# Allegro board 1156197-TDI_VU3P_QSFP28_CXP_V001_1023A-166-20241121_1644_PCB.brd (continued)
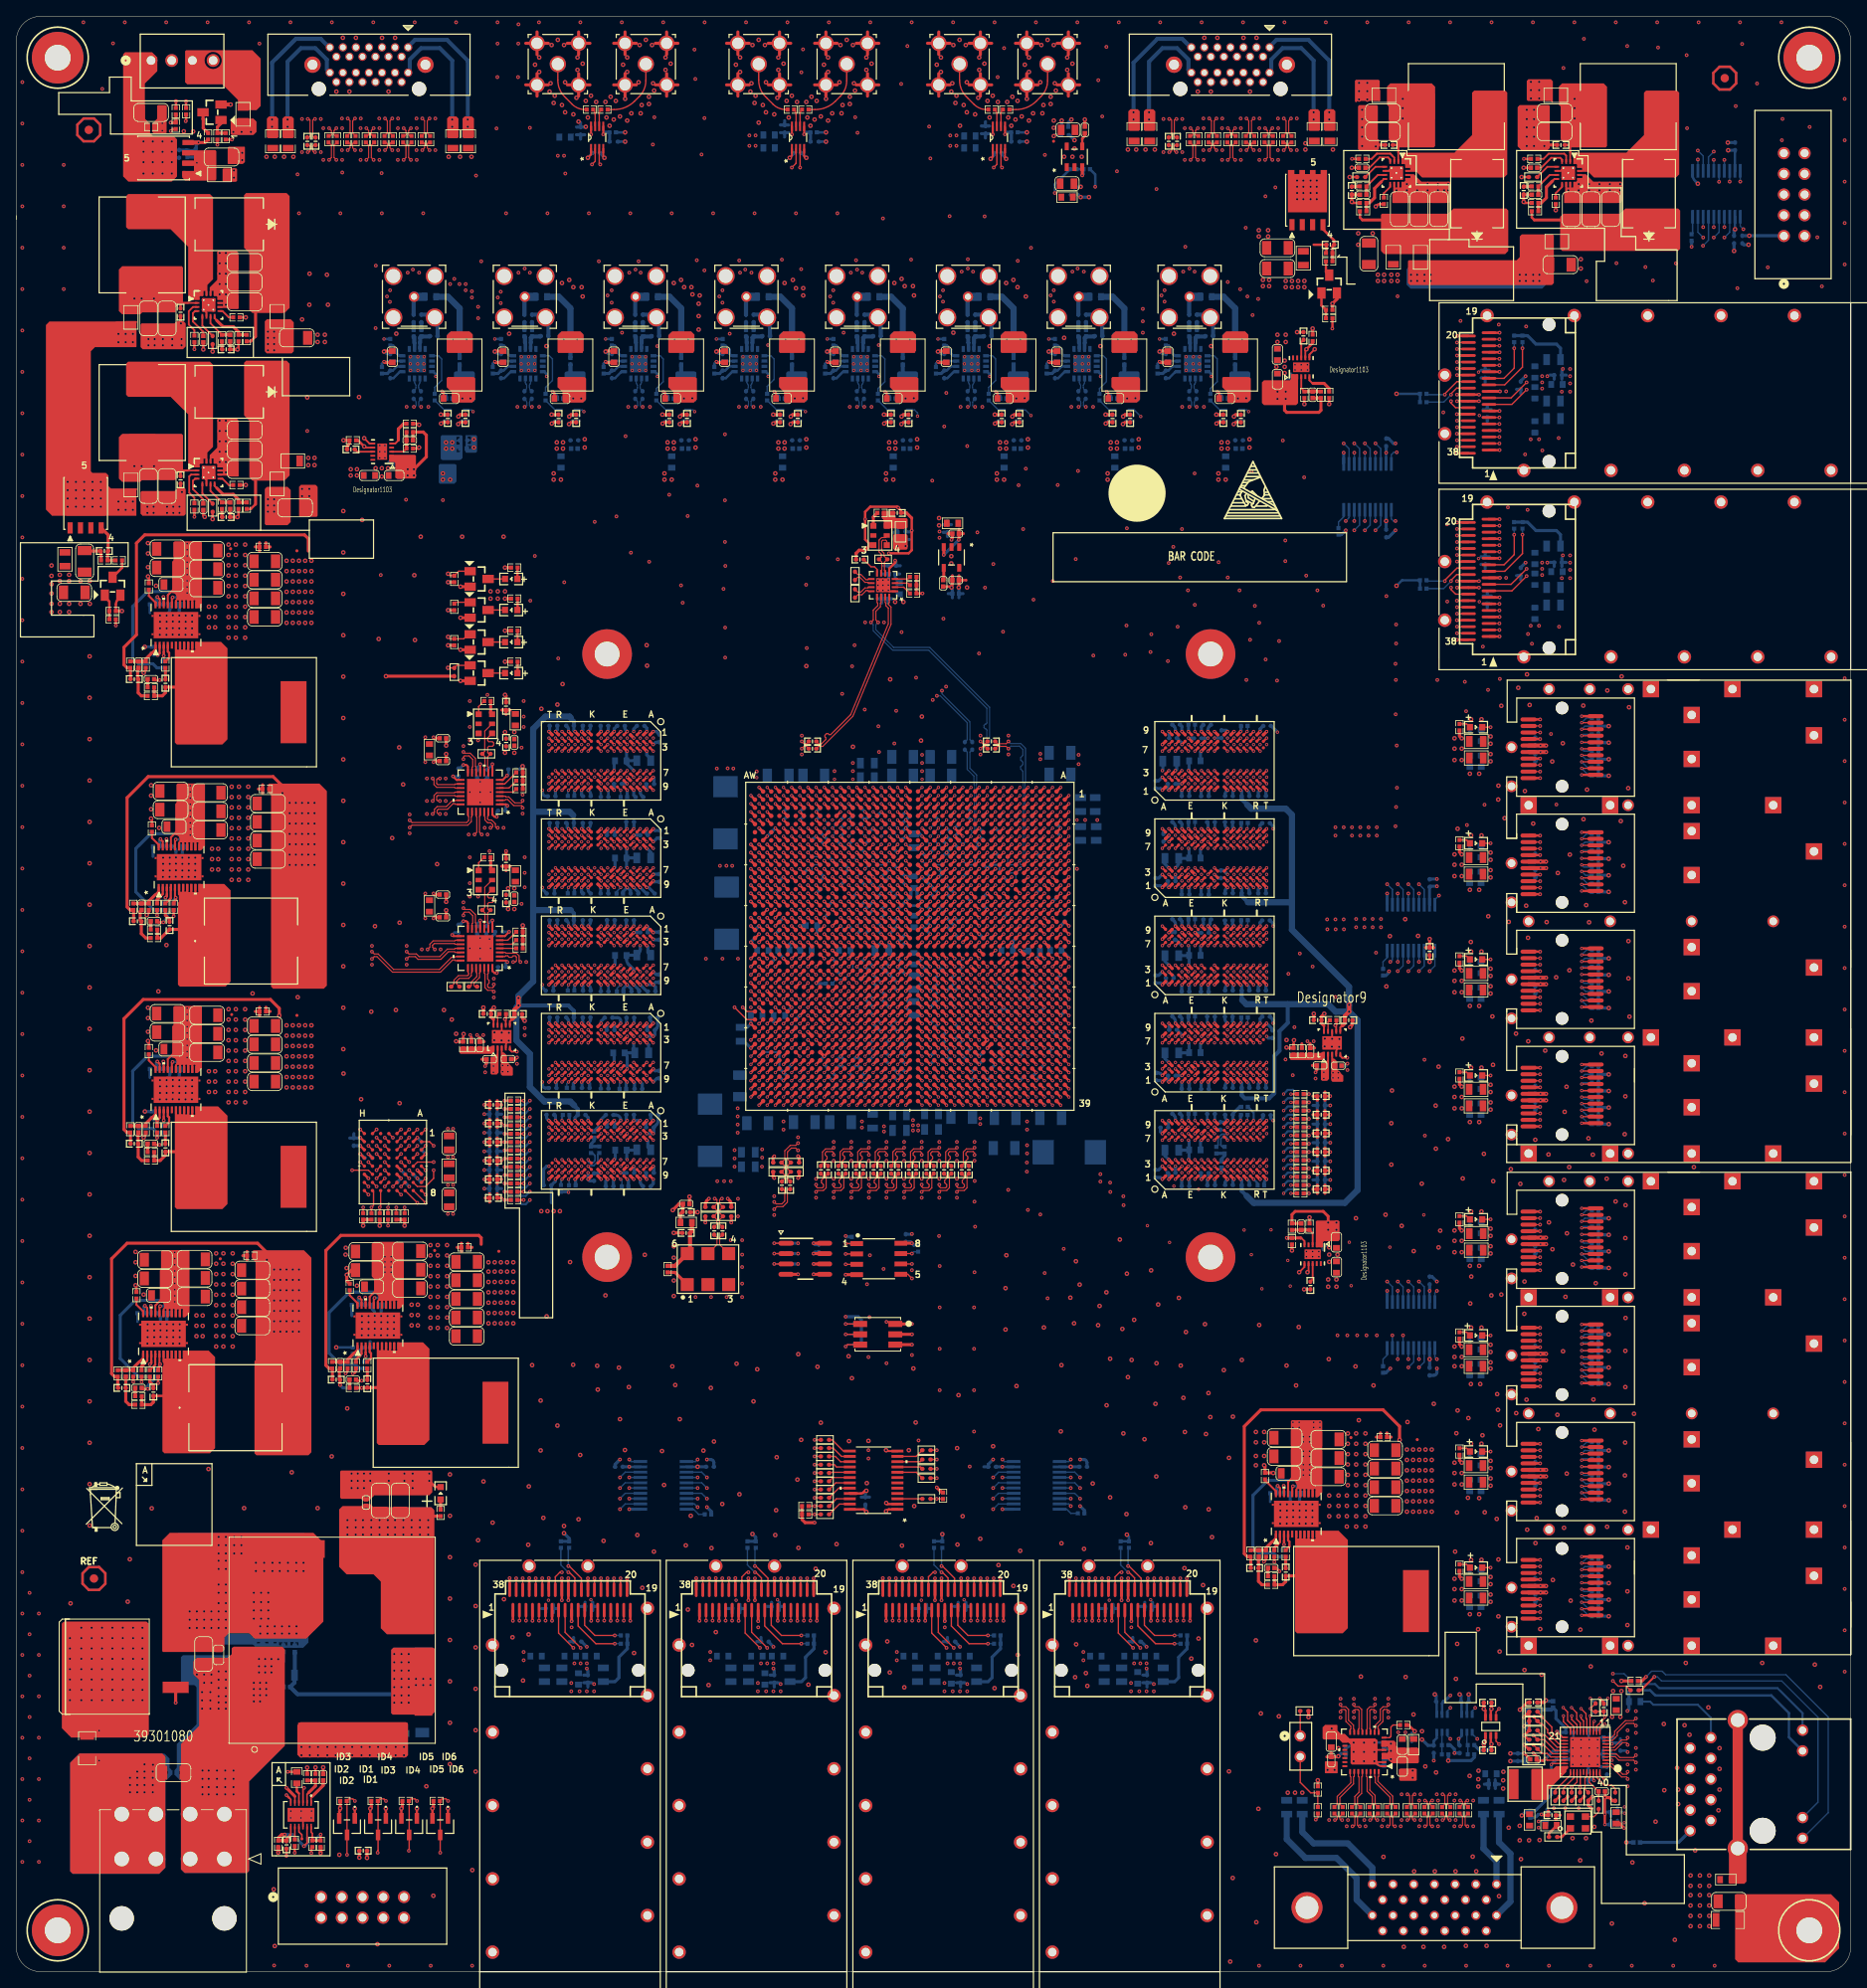
[diagram p0: board, top side]
## Copper pours and planes (outline as drawn; the poured copper is in the pictures) (continued)
CHA_SFP3_VCCRX on BOTTOM: 181.11,89.8 182.33,91.02 184,91.02 185.15,89.87 185.16,89.87 187.84,89.87 187.91,89.94 187.91,90.32 187.78,90.45 185.9,90.45 184.05,92.29 181.49,92.29 180.25,91.05 179.4,91.05 179.31,90.96 179.31,89.9 179.41,89.8
CHA_SFP3_VCCRX on ART05: 181.36,89.96 182.33,90.93 184.45,90.93 185.49,89.89 187.89,89.89 187.96,89.96 187.96,90.34 187.85,90.45 186.69,90.45 186.46,90.68 186.46,90.83 185.55,91.74 180.85,91.74 180.47,91.36 180.47,90.09 180.59,89.96
CHA_SFP3_VCCTX on TOP: 179.56,89.42 181.08,89.42 181.21,89.3 181.21,87.77 181.08,87.64 179.56,87.64 179.43,87.77 179.43,89.3
CHA_SFP3_VCCTX on BOTTOM: 181.11,89.37 181.62,88.86 184.3,88.86 184.93,89.49 187.82,89.49 187.93,89.38 187.93,89 187.78,88.85 186.54,88.85 186.53,88.85 186.26,88.85 186.08,88.67 185.59,88.67 184.43,87.52 180.98,87.52 180.11,88.38 179.43,88.38 179.3,88.51 179.3,89.29 179.37,89.37
CHA_SFP3_VCCTX on ART05: 180.59,89.33 181.1,89.33 181.23,89.2 182.6,89.2 182.95,88.85 183.88,88.85 184.23,89.2 185.04,89.2 185.35,89.51 187.91,89.51 187.96,89.45 187.96,89.07 187.83,88.94 186.82,88.94 185.67,87.8 180.59,87.8 180.47,87.93 180.47,89.2
CHA_SFP4_VCCRX on TOP: 179.56,109.24 181.08,109.24 181.21,109.11 181.21,107.59 181.08,107.46 179.56,107.46 179.43,107.59 179.43,109.11
CHA_SFP4_VCCRX on BOTTOM: 181.08,107.51 182.3,108.73 183.98,108.73 185.13,107.58 185.13,107.58 187.82,107.58 187.88,107.65 187.88,108.03 187.76,108.16 185.87,108.16 184.03,110 181.46,110 180.22,108.76 179.37,108.76 179.28,108.67 179.28,107.61 179.38,107.51
CHA_SFP4_VCCRX on ART05: 181.36,107.62 182.12,108.38 184.66,108.38 185.49,107.55 187.89,107.55 187.96,107.62 187.96,108 187.71,108.25 186.69,108.25 185.55,109.4 180.85,109.4 180.47,109.01 180.47,107.74 180.59,107.62
CHA_SFP4_VCCTX on TOP: 179.56,107.08 181.08,107.08 181.21,106.95 181.21,105.43 181.08,105.3 179.56,105.3 179.43,105.43 179.43,106.95
CHA_SFP4_VCCTX on BOTTOM: 181.08,107.08 181.59,106.57 184.28,106.57 184.91,107.2 187.79,107.2 187.91,107.09 187.91,106.71 187.76,106.56 186.51,106.56 186.51,106.56 186.23,106.56 186.06,106.38 185.56,106.38 184.4,105.23 180.95,105.23 180.09,106.09 179.4,106.09 179.27,106.22 179.27,107 179.35,107.08
CHA_SFP4_VCCTX on ART05: 180.59,106.98 181.1,106.98 181.23,106.86 185.04,106.86 185.42,107.24 187.83,107.24 187.96,107.11 187.96,106.73 187.83,106.6 186.82,106.6 185.67,105.46 180.59,105.46 180.47,105.59 180.47,106.86
CHA_SFP5_VCCRX on TOP: 179.56,123.49 181.08,123.49 181.21,123.36 181.21,121.84 181.08,121.71 179.56,121.71 179.43,121.84 179.43,123.36
CHA_SFP5_VCCRX on BOTTOM: 181.08,121.74 182.3,122.95 183.98,122.95 185.13,121.81 185.13,121.81 187.82,121.81 187.88,121.88 187.88,122.26 187.76,122.38 185.87,122.38 184.03,124.22 181.46,124.22 180.22,122.98 179.37,122.98 179.28,122.89 179.28,121.83 179.38,121.74
CHA_SFP5_VCCRX on ART05: 181.36,121.87 182.12,122.63 184.66,122.63 185.49,121.8 187.89,121.8 187.96,121.87 187.96,122.25 187.71,122.5 186.69,122.5 185.55,123.64 180.85,123.64 180.47,123.26 180.47,121.99 180.59,121.87
CHA_SFP5_VCCTX on TOP: 179.56,121.33 181.08,121.33 181.21,121.2 181.21,119.68 181.08,119.55 179.56,119.55 179.43,119.68 179.43,121.2
CHA_SFP5_VCCTX on BOTTOM: 181.08,121.3 181.59,120.8 184.28,120.8 184.91,121.42 187.79,121.42 187.91,121.31 187.91,120.94 187.76,120.78 186.51,120.78 186.51,120.78 186.23,120.78 186.06,120.61 185.56,120.61 184.4,119.45 180.95,119.45 180.09,120.32 179.4,120.32 179.27,120.44 179.27,121.23 179.35,121.3
CHA_SFP5_VCCTX on ART05: 180.59,121.23 181.1,121.23 181.23,121.1 185.04,121.1 185.42,121.49 187.83,121.49 187.96,121.36 187.96,120.98 187.83,120.85 186.82,120.85 185.67,119.71 180.59,119.71 180.47,119.83 180.47,121.1
CHA_SFP6_VCCRX on TOP: 179.56,137.74 181.08,137.74 181.21,137.61 181.21,136.09 181.08,135.96 179.56,135.96 179.43,136.09 179.43,137.61
CHA_SFP6_VCCRX on BOTTOM: 181.08,135.96 182.3,137.18 183.98,137.18 185.13,136.03 185.13,136.03 187.82,136.03 187.88,136.1 187.88,136.48 187.76,136.61 185.87,136.61 184.03,138.45 181.46,138.45 180.22,137.21 179.37,137.21 179.28,137.12 179.28,136.06 179.38,135.96
CHA_SFP6_VCCRX on ART05: 181.36,136.12 182.12,136.88 184.66,136.88 185.49,136.05 187.89,136.05 187.96,136.12 187.96,136.5 187.71,136.75 186.69,136.75 185.55,137.9 180.85,137.9 180.47,137.52 180.47,136.25 180.59,136.12
CHA_SFP6_VCCTX on TOP: 179.56,135.58 181.08,135.58 181.21,135.45 181.21,133.93 181.08,133.8 179.56,133.8 179.43,133.93 179.43,135.45
CHA_SFP6_VCCTX on BOTTOM: 181.08,135.53 181.59,135.02 184.28,135.02 184.91,135.65 187.79,135.65 187.91,135.53 187.91,135.16 187.76,135.01 186.51,135.01 186.51,135 186.23,135 186.06,134.83 185.56,134.83 184.4,133.67 180.95,133.67 180.09,134.54 179.4,134.54 179.27,134.67 179.27,135.45 179.35,135.53
CHA_SFP6_VCCTX on ART05: 180.59,135.48 181.1,135.48 181.23,135.36 185.04,135.36 185.42,135.74 187.83,135.74 187.96,135.61 187.96,135.23 187.83,135.1 186.82,135.1 185.67,133.96 180.59,133.96 180.47,134.09 180.47,135.36
CHA_SFP7_VCCRX on TOP: 179.56,151.99 181.08,151.99 181.21,151.86 181.21,150.34 181.08,150.21 179.56,150.21 179.43,150.34 179.43,151.86
CHA_SFP7_VCCRX on BOTTOM: 181.11,150.21 182.33,151.43 184,151.43 185.15,150.28 185.16,150.28 187.84,150.28 187.91,150.35 187.91,150.73 187.78,150.86 185.9,150.86 184.05,152.7 181.49,152.7 180.25,151.46 179.4,151.46 179.31,151.37 179.31,150.31 179.41,150.21
CHA_SFP7_VCCRX on ART05: 181.36,150.37 182.12,151.13 184.66,151.13 185.49,150.3 187.89,150.3 187.96,150.37 187.96,150.75 187.71,151 186.69,151 185.55,152.15 180.85,152.15 180.47,151.76 180.47,150.5 180.59,150.37
CHA_SFP7_VCCTX on TOP: 179.56,149.83 181.08,149.83 181.21,149.7 181.21,148.18 181.08,148.05 179.56,148.05 179.43,148.18 179.43,149.7
CHA_SFP7_VCCTX on BOTTOM: 181.11,149.78 181.62,149.27 184.3,149.27 184.93,149.9 187.82,149.9 187.93,149.78 187.93,149.41 187.78,149.26 186.54,149.26 186.53,149.25 186.26,149.25 186.08,149.08 185.59,149.08 184.43,147.92 180.98,147.92 180.11,148.79 179.43,148.79 179.3,148.92 179.3,149.7 179.37,149.78
CHA_SFP7_VCCTX on ART05: 180.59,149.73 181.1,149.73 181.23,149.61 185.04,149.61 185.42,149.99 187.83,149.99 187.96,149.86 187.96,149.48 187.83,149.35 186.82,149.35 185.67,148.21 180.59,148.21 180.47,148.34 180.47,149.61
CHA_VCCAUX on BOTTOM: 108.84,102.49 108.71,102.62 108.71,105.79 108.41,106.1 108.41,108.53 109.35,109.47 109.35,113.79 108.88,114.26 108.88,114.47 109.35,114.94 109.35,115.57 109.22,115.7 108.58,115.7 108.46,115.82 108.46,116.71 107.57,117.6 107.57,118.62 107.82,118.87 108.84,118.87 109.86,117.86 111.51,117.86 111.76,117.6 111.76,116.97 112.27,116.46 112.27,116.2 111.76,115.7 111.76,115.19 111.89,115.06 112.39,115.06 112.65,114.81 112.65,113.92 112.39,113.67 112.14,113.67 111.89,113.41 111.89,105.92 112.01,105.79 112.01,102.74 111.76,102.49
CHA_VCCAUX on ART07: 110.79,105.36 111.1,105.05 111.1,103.17 110.9,102.97 109.91,102.97 109.35,103.53 109.35,105.03 108.46,105.92 108.46,113.54 108.33,113.67 102.87,113.67 102.49,114.05 102.49,116.84 102.62,116.97 103.38,116.97 103.5,117.09 103.5,119.63 103.89,120.02 115.06,120.02 115.7,119.38 115.7,113.79 115.32,113.41 111,113.41 110.79,113.21
CHA_VCCAUX on ART16: 116.71,114.81 116.71,112.9 116.46,112.65 111.12,112.65 110.87,112.39 110.87,103.12 110.74,103 109.35,103 109.09,103.25 109.09,104.78 108.46,105.41 108.46,112.52 108.33,112.65 102.74,112.65 102.49,112.9 102.49,116.71 102.74,116.97 103.25,116.97 103.5,117.22 103.5,117.73 103.76,117.98 104.27,117.98 104.52,118.24 104.52,119.63 104.9,120.02 115.57,120.02 115.7,119.89 115.7,115.19 115.95,114.94 116.59,114.94
CHA_VCCINT on TOP: 55.37,89.56 61.57,89.56 62.48,88.65 62.48,64.77 62.1,64.39 56.13,64.39 55.63,64.9 55.63,88.14 55.12,88.65 55.12,89.31
CHA_VCCINT on BOTTOM: 82.8,102.74 82.55,103 82.55,107.82 82.68,107.95 89.53,107.95 89.66,107.82 89.66,106.93 90.42,106.17 90.42,103.12 90.04,102.74
CHA_VCCINT on BOTTOM: 122.17,102.62 127,102.62 127.25,102.36 127.25,99.06 127,98.81 122.17,98.81 121.92,99.06 121.92,102.36
CHA_VCCINT on BOTTOM: 112.78,145.92 112.65,145.8 109.47,145.8 109.35,145.92 109.35,149.99 109.47,150.11 112.52,150.11 112.78,149.86
CHA_VCCINT on BOTTOM: 84.58,128.4 89.28,128.4 89.53,128.14 89.53,124.33 89.15,123.95 84.58,123.95 84.33,124.21 84.33,128.14
CHA_VCCINT on BOTTOM: 89.41,148.08 89.66,147.83 89.66,144.53 89.28,144.15 84.71,144.15 84.45,144.4 84.45,147.83 84.71,148.08
CHA_VCCINT on POWER09: 136.27,68.83 139.95,72.52 139.95,158.12 138.68,159.38 40.39,159.38 38.99,157.99 38.99,71.5 41.66,68.83
DDR4_1V2 on TOP (solid shape): 59.16,110.34 58.93,110.11 58.29,110.11 58.17,110.24 58.17,112.14 58.29,112.27 58.55,112.27 58.92,112.64 58.92,113.66 59.16,113.66
DDR4_1V2 on TOP (solid shape): 161.01,109.58 160.78,109.35 160.15,109.35 160.02,109.47 160.02,111.38 160.15,111.51 160.4,111.51 160.77,111.88 160.77,112.9 161.01,112.9
DDR4_1V2 on TOP: 55.09,113.89 55.14,113.94 55.14,115.47 55.09,115.52 53.67,115.52 53.59,115.44 53.59,114.02 53.72,113.89
DDR4_1V2 on TOP: 30.61,118.52 36.8,118.52 37.72,117.6 37.72,93.73 37.34,93.34 31.37,93.34 30.86,93.85 30.86,117.09 30.35,117.6 30.35,118.26
DDR4_1V2 on TOP: 156.95,113.13 157,113.18 157,114.71 156.95,114.76 155.52,114.76 155.45,114.68 155.45,113.26 155.57,113.13
DDR4_1V2 on BOTTOM: 159.99,111.58 160.05,111.63 160.78,111.63 160.86,111.56 160.86,109.45 160.78,109.37 160.05,109.37 159.99,109.42
DDR4_1V2 on BOTTOM: 129.79,142.88 132.97,142.88 133.22,142.62 133.22,140.08 133.1,139.95 129.79,139.95 129.54,140.21 129.54,142.62
DDR4_1V2 on BOTTOM: 104.01,149.22 102.49,149.22 102.23,148.97 102.23,146.18 102.49,145.92 104.01,145.92 104.14,146.05 104.14,149.1
DDR4_1V2 on BOTTOM: 58.32,112.39 58.93,112.39 59,112.32 59,110.21 58.93,110.13 58.32,110.13 58.22,110.24 58.22,112.29
DDR4_1V2 on POWER10: 30.86,97.79 54.86,97.79 57.53,95.12 76.45,95.12 79.5,98.17 79.5,114.83 89.51,124.84 96.01,124.84 96.39,124.46 96.39,124.33 96.6,124.13 97.84,124.13 98.68,124.97 98.68,125.48 98.81,125.6 99.87,125.6 100.13,125.86 100.71,125.86 100.84,125.98 100.84,126.49 101.09,126.75 103.23,126.75 103.73,127.25 103.73,137.31 103.38,137.67 101.85,137.67 101.6,137.92 101.6,140.46 101.93,140.79 116.13,140.79 116.33,140.59 116.33,126.11 116.59,125.86 120.4,125.86 120.78,125.48 120.78,124.21 121.08,123.9 128.7,123.9 131.32,121.28 131.32,95.38 132.72,93.98 164.08,93.98 166.5,96.39 166.5,170.51 154.69,182.32 57.28,182.32 53.64,178.69 29.34,178.69 27.3,176.66 27.3,101.35
INPUT_GND on TOP (solid shape): 32.94,39.57 32.94,27.74 28.55,23.34 28.55,12.37 28.3,12.12 20.65,12.12 20.19,12.57 20.19,27.94 22.42,30.16 22.42,35.81 21.72,36.51 21.72,38.1 22.16,38.54 25.97,38.54 26.42,38.99 26.42,39.65 26.67,39.9 32.61,39.9
INPUT_GND on BOTTOM (solid shape): 32.94,38.02 32.77,37.85 32.77,35.43 32.94,35.26 32.94,34.67 32.64,34.37 32.64,27.46 28.55,23.37 28.55,12.37 28.3,12.12 20.65,12.12 20.19,12.57 20.19,23.37 19.43,24.13 19.43,24.23 20.14,24.23 20.14,24.61 19.76,24.61 19.76,24.23 19.43,24.23 19.43,24.77 19.68,25.02 19.68,27.94 22.1,30.35 22.1,34.92 21.84,35.18 20.32,35.18 20.19,35.31 20.19,38.61 20.4,38.81 31.93,38.81 31.93,38.84 32.77,38.84 32.77,39.22 32.38,39.22 32.38,38.84 31.93,38.84 31.93,39.19 31.55,39.19 31.55,38.81 20.4,38.81 20.42,38.84 30.91,38.84 30.91,39.22 30.53,39.22 30.53,38.84 29.9,38.84 29.9,39.22 29.51,39.22 29.51,38.84 20.42,38.84 20.45,38.86 28.83,38.86 29.41,39.45 32.94,39.45
INPUT_GND on BOTTOM: 36.55,19.99 36.55,18.49 36.45,18.39 33.45,18.39 33.3,18.54 33.3,19.99 33.5,20.19 36.35,20.19
INPUT_GND on ART05: 32.26,38.73 32.64,38.35 32.64,31.88 31.75,30.99 31.75,26.29 32.64,25.4 37.97,25.4 38.1,25.27 38.1,14.35 37.59,13.84 29.08,13.84 27.94,12.7 20.7,12.7 20.19,13.21 20.19,31.75 20.95,32.51 20.95,38.35 21.34,38.73
INPUT_GND on GND06: 20.95,32.38 20.95,37.97 21.72,38.73 32.13,38.73 32.51,38.35 32.51,31.75 31.75,30.99 31.75,23.88 28.45,20.57 28.45,13.21 27.94,12.7 20.7,12.7 20.19,13.21 20.19,31.62
INPUT_GND on ART07, GND08, POWER09, POWER10, GND11: 32.13,38.73 32.51,38.35 32.51,31.75 31.75,30.99 31.75,23.88 29.34,21.46 20.45,21.46 20.19,21.72 20.19,31.62 20.95,32.38 20.95,37.97 21.72,38.73
N23165016 on TOP (solid shape): 58.66,112.89 58.42,112.65 54.48,112.65 54.36,112.78 54.36,113.41 54.48,113.54 58.17,113.54 58.29,113.66 58.66,113.66
N23240813 on BOTTOM (solid shape): 50.44,206.01 50.44,205.15 50.37,205.07 48.51,205.07 48.32,205.26 48.32,205.92 48.49,206.09 50.37,206.09
N23421217 on TOP (solid shape): 160.51,112.12 160.27,111.89 156.34,111.89 156.21,112.01 156.21,112.65 156.34,112.78 160.02,112.78 160.14,112.9 160.51,112.9
N24127214 on TOP (solid shape): 44.49,77.22 44.49,76.33 44.54,76.28 44.66,76.28 44.71,76.33 44.71,77.23 44.73,77.25 44.99,77.25 44.99,76.35 45.04,76.3 45.16,76.3 45.21,76.35 45.21,77.25 45.47,77.25 45.49,77.22 45.49,76.31 45.55,76.26 45.66,76.26 45.71,76.31 45.71,77.25 45.97,77.25 45.99,77.22 45.99,76.28 46.04,76.23 46.16,76.23 46.21,76.28 46.21,77.22 46.24,77.25 46.47,77.25 46.49,77.23 46.49,76.28 46.54,76.23 46.66,76.23 46.71,76.28 46.71,77.25 49.88,77.25 50.67,76.45 50.67,65.28 50.04,64.64 44.45,64.64 44.21,64.89 44.21,77.25 44.46,77.25
N24533060 on TOP (solid shape): 56,200.93 56,198.92 55.8,198.72 52.9,198.72 52.79,198.83 52.79,200.84 53.28,201.34 55.59,201.34
N24533060 on BOTTOM (solid shape): 55.9,200.96 55.9,199.32 55.62,199.03 53.12,199.03 52.85,199.3 52.85,200.97 53.1,201.22 55.64,201.22
N25442672 on TOP (solid shape): 69.59,200.93 69.59,198.92 69.39,198.72 66.49,198.72 66.38,198.83 66.38,200.84 66.87,201.34 69.18,201.34
N25442672 on BOTTOM (solid shape): 69.49,200.96 69.49,199.32 69.21,199.03 66.71,199.03 66.44,199.3 66.44,200.97 66.69,201.22 69.23,201.22
N25442826 on BOTTOM (solid shape): 64.03,206.01 64.03,205.15 63.96,205.07 62.1,205.07 61.91,205.26 61.91,205.92 62.08,206.09 63.96,206.09
N25446827 on TOP (solid shape): 83.18,200.93 83.18,198.92 82.98,198.72 80.08,198.72 79.97,198.83 79.97,200.84 80.46,201.34 82.77,201.34
N25446827 on BOTTOM (solid shape): 83.08,200.96 83.08,199.32 82.8,199.03 80.3,199.03 80.03,199.3 80.03,200.97 80.28,201.22 82.82,201.22
N25446981 on BOTTOM (solid shape): 77.62,206.01 77.62,205.15 77.55,205.07 75.69,205.07 75.5,205.26 75.5,205.92 75.67,206.09 77.55,206.09
N25447139 on TOP (solid shape): 96.77,200.93 96.77,198.92 96.56,198.72 93.67,198.72 93.55,198.83 93.55,200.84 94.05,201.34 96.36,201.34
N25447139 on BOTTOM (solid shape): 96.67,200.96 96.67,199.32 96.38,199.03 93.89,199.03 93.62,199.3 93.62,200.97 93.87,201.22 96.41,201.22
N25447293 on BOTTOM (solid shape): 91.21,206.01 91.21,205.15 91.14,205.07 89.28,205.07 89.09,205.26 89.09,205.92 89.26,206.09 91.14,206.09
N25767219 on TOP (solid shape): 16.26,42.69 16.26,29.12 15.87,28.73 6.73,28.73 5.59,29.87 5.59,42.72 5.84,42.98 15.98,42.98
N25767219 on GND02 (solid shape): 16,42.55 16,32.38 15.75,32.13 5.97,32.13 5.71,32.38 5.71,42.67 5.97,42.93 15.62,42.93
N25767219 on ART03 (solid shape): 16,42.55 16,32.38 15.75,32.13 5.97,32.13 5.71,32.38 5.71,42.67 5.97,42.93 15.62,42.93
N25767219 on GND04 (solid shape): 16,42.55 16,32.38 15.75,32.13 5.97,32.13 5.71,32.38 5.71,42.67 5.97,42.93 15.62,42.93
N25767219 on ART05 (solid shape): 16,42.55 16,32.38 15.75,32.13 5.97,32.13 5.71,32.38 5.71,42.67 5.97,42.93 15.62,42.93
N25767219 on GND06 (solid shape): 16,42.55 16,32.38 15.75,32.13 5.97,32.13 5.71,32.38 5.71,42.67 5.97,42.93 15.62,42.93
N25767219 on ART07 (solid shape): 16,42.55 16,32.38 15.75,32.13 5.97,32.13 5.71,32.38 5.71,42.67 5.97,42.93 15.62,42.93
N25767219 on GND08 (solid shape): 16,42.55 16,32.38 15.75,32.13 5.97,32.13 5.71,32.38 5.71,42.67 5.97,42.93 15.62,42.93
N25767219 on POWER09 (solid shape): 16,42.55 16,32.38 15.75,32.13 5.97,32.13 5.71,32.38 5.71,42.67 5.97,42.93 15.62,42.93
N25767219 on POWER10 (solid shape): 16,42.55 16,32.38 15.75,32.13 5.97,32.13 5.71,32.38 5.71,42.67 5.97,42.93 15.62,42.93
N25767219 on GND11 (solid shape): 16,42.55 16,32.38 15.75,32.13 5.97,32.13 5.71,32.38 5.71,42.67 5.97,42.93 15.62,42.93
N25767219 on ART12 (solid shape): 16,42.55 16,32.38 15.75,32.13 5.97,32.13 5.71,32.38 5.71,42.67 5.97,42.93 15.62,42.93
N25767219 on GND13 (solid shape): 16,42.55 16,32.38 15.75,32.13 5.97,32.13 5.71,32.38 5.71,42.67 5.97,42.93 15.62,42.93
N25767219 on ART14 (solid shape): 16,42.55 16,32.38 15.75,32.13 5.97,32.13 5.71,32.38 5.71,42.67 5.97,42.93 15.62,42.93
N25767219 on GND15 (solid shape): 16,42.55 16,32.38 15.75,32.13 5.97,32.13 5.71,32.38 5.71,42.67 5.97,42.93 15.62,42.93
N25767219 on ART16 (solid shape): 16,42.55 16,32.38 15.75,32.13 5.97,32.13 5.71,32.38 5.71,42.67 5.97,42.93 15.62,42.93
N25767219 on GND17 (solid shape): 16,42.55 16,32.38 15.75,32.13 5.97,32.13 5.71,32.38 5.71,42.67 5.97,42.93 15.62,42.93
N26805761 on TOP (solid shape): 223.58,8.51 223.58,2.86 221.87,1.14 211.2,1.14 210.82,1.52 210.82,9.4 210.95,9.53 222.57,9.53
N27389672 on TOP (solid shape): 19.72,106.18 19.72,105.29 19.77,105.24 19.89,105.24 19.94,105.29 19.94,106.18 19.97,106.21 20.22,106.21 20.22,105.3 20.27,105.25 20.4,105.25 20.45,105.3 20.45,106.21 20.7,106.21 20.73,106.18 20.73,105.27 20.78,105.22 20.89,105.22 20.94,105.27 20.94,106.21 21.2,106.21 21.23,106.18 21.23,105.24 21.28,105.19 21.4,105.19 21.45,105.24 21.45,106.18 21.47,106.21 21.71,106.21 21.72,106.19 21.72,105.23 21.78,105.18 21.9,105.18 21.95,105.23 21.95,106.21 24.77,106.21 25.91,105.06 25.91,94.23 25.27,93.6 19.68,93.6 19.44,93.84 19.44,106.21 19.69,106.21
N28522099 on TOP: 57.91,134.87 58.04,134.75 61.59,134.75 61.72,134.87 61.72,135.76 61.59,135.89 58.04,135.89 57.91,135.76
N28610168 on TOP (solid shape): 169.24,28.12 169.24,27.74 169.49,27.48 171.91,27.48 172.03,27.36 172.03,25.7 171.91,25.58 168.73,25.58 168.22,26.09 167.51,26.09 167.46,26.14 167.46,26.75 167.56,26.85 168.12,26.85 168.28,27 168.28,27.51 168.17,27.61 167.46,27.61 167.41,27.66 167.41,28.32 167.46,28.37 168.99,28.37
N28610168 on TOP: 160.27,27.86 163.19,27.86 163.27,27.79 163.27,26.16 163.19,26.09 160.3,26.09 160.2,26.19 160.2,27.79
N28610168 on BOTTOM: 170,27.23 170,23.16 169.37,22.53 161.82,22.53 159.77,24.59 159.77,27.56 160.2,27.99 162.38,27.99 162.51,27.86 162.51,27.1 162.56,27.05 163.32,27.05 163.37,27 163.37,25.1 163.91,24.56 168.07,24.56 168.3,24.79 168.3,28.19 168.35,28.24 168.99,28.24
N28714997 on TOP (solid shape): 18.2,76.21 18.2,75.32 18.25,75.27 18.37,75.27 18.42,75.32 18.42,76.21 18.44,76.23 18.7,76.23 18.7,75.33 18.75,75.28 18.87,75.28 18.92,75.33 18.92,76.23 19.18,76.23 19.21,76.21 19.21,75.3 19.26,75.25 19.37,75.25 19.42,75.3 19.42,76.23 19.68,76.23 19.7,76.21 19.7,75.27 19.75,75.22 19.87,75.22 19.92,75.27 19.92,76.21 19.95,76.23 20.18,76.23 20.2,76.21 20.2,75.26 20.25,75.21 20.37,75.21 20.42,75.26 20.42,76.23 23.59,76.23 24.38,75.44 24.38,64.26 23.75,63.63 18.16,63.63 17.92,63.87 17.92,74.25 18.05,74.55 17.92,74.85 17.92,76.23 18.17,76.23
N28715617 on TOP (solid shape): 157.13,54.11 157.13,53.22 157.18,53.17 157.31,53.17 157.36,53.22 157.36,54.11 157.38,54.14 157.64,54.14 157.64,53.23 157.69,53.18 157.81,53.18 157.86,53.23 157.86,54.14 158.12,54.14 158.14,54.11 158.14,53.2 158.19,53.15 158.31,53.15 158.36,53.2 158.36,54.14 158.62,54.14 158.64,54.11 158.64,53.17 158.69,53.12 158.81,53.12 158.86,53.17 158.86,54.11 158.89,54.14 159.12,54.14 159.14,54.12 159.14,53.16 159.19,53.11 159.31,53.11 159.36,53.16 159.36,54.14 162.18,54.14 163.32,52.99 163.32,42.16 162.69,41.53 157.1,41.53 156.86,41.77 156.86,54.14 157.11,54.14
N28719419 on TOP: 115.39,174.4 115.39,176.96 115.09,177.27 115.09,178.41 115.21,178.54 116.61,178.54 116.74,178.41 116.74,174.47 116.61,174.35 115.44,174.35
N28727229 on TOP (solid shape): 20.1,133.49 20.1,132.6 20.15,132.54 20.27,132.54 20.32,132.6 20.32,133.49 20.35,133.51 20.6,133.51 20.6,132.61 20.65,132.56 20.78,132.56 20.83,132.61 20.83,133.51 21.08,133.51 21.11,133.48 21.11,132.57 21.16,132.52 21.27,132.52 21.33,132.57 21.33,133.51 21.58,133.51 21.61,133.48 21.61,132.54 21.66,132.49 21.78,132.49 21.83,132.54 21.83,133.48 21.85,133.51 22.09,133.51 22.11,133.49 22.11,132.54 22.16,132.49 22.28,132.49 22.33,132.54 22.33,133.51 25.49,133.51 26.29,132.72 26.29,121.54 25.65,120.9 20.07,120.9 19.82,121.15 19.82,131.2 19.94,131.32 19.94,132.08 19.82,132.2 19.82,133.51 20.08,133.51
N28744187 on TOP (solid shape): 190.32,25.2 190.32,24.95 190.13,24.75 190.13,24.52 187.96,22.35 187.96,21.34 187.71,21.08 185.93,21.08 185.83,21.18 185.83,24.77 185.95,24.89 188.49,24.89 188.85,25.25 190.14,25.25 190.15,25.25 190.27,25.25
N28744413 on TOP: 191.16,19.43 191.16,18.7 191.01,18.54 189.74,18.54 189.74,18.54 189.64,18.45 189.64,17.56 189.51,17.43 188.62,17.43 188.49,17.56 188.49,19.3 188.75,19.56 191.03,19.56
N28846811 on TOP (solid shape): 29.97,234.82 29.97,228.98 29.46,228.47 27.23,228.47 27.2,228.48 27.19,228.5 27.18,228.52 27.18,229.74 25.27,231.65 20.95,231.65 20.7,231.9 20.7,234.63 23.1,234.63 23.1,234.54 23.11,234.45 23.13,234.36 23.15,234.27 23.18,234.18 23.22,234.1 23.26,234.02 23.32,233.95 23.37,233.88 23.44,233.81 23.51,233.75 23.58,233.7 23.66,233.66 23.74,233.62 23.83,233.59 23.92,233.56 24.01,233.55 24.1,233.54 24.19,233.54 24.28,233.55 24.37,233.56 24.46,233.59 24.54,233.62 24.62,233.66 24.7,233.7 24.78,233.75 24.85,233.81 24.91,233.88 24.97,233.95 25.02,234.02 25.07,234.1 25.11,234.18 25.14,234.27 25.16,234.36 25.18,234.45 25.18,234.54 25.18,234.63 25.18,234.72 25.16,234.81 25.14,234.9 25.11,234.98 25.07,235.06 25.02,235.14 24.97,235.22 24.91,235.29 24.85,235.35 24.78,235.41 24.7,235.46 24.62,235.51 24.54,235.54 24.46,235.58 24.37,235.6 24.28,235.62 24.19,235.62 24.1,235.62 24.01,235.62 23.92,235.6 23.83,235.58 23.74,235.54 23.66,235.51 23.58,235.46 23.51,235.41 23.44,235.35 23.37,235.29 23.32,235.22 23.26,235.14 23.22,235.06 23.18,234.98 23.15,234.9 23.13,234.81 23.11,234.72 23.1,234.63 20.7,234.63 20.7,235.71 20.83,235.84 28.96,235.84
N28914741 on TOP: 129.03,222 129.11,221.92 129.11,220.8 128.52,220.22 128.52,217.04 128.4,216.92 127.13,216.92 127,217.04 127,221.87 127.13,222
N28960222 on TOP (solid shape): 24.13,197.23 24.13,187.15 23.44,186.46 23.44,185.14 23.39,185.09 23.24,185.09 23.22,185.12 23.22,185.67 23.19,185.7 22.99,185.7 22.94,185.65 22.94,185.14 22.89,185.09 22.58,185.09 22.48,184.99 22.48,184.66 22.45,184.63 21.23,184.63 21.08,184.78 21.08,191.13 18.92,193.29 13.72,193.29 13.46,193.55 13.46,197.36 13.72,197.61 23.75,197.61
N28979775 on TOP (solid shape): 24.13,217.81 24.13,207.72 23.44,207.04 23.44,205.71 23.39,205.66 23.24,205.66 23.22,205.69 23.22,206.25 23.19,206.27 22.99,206.27 22.94,206.22 22.94,205.71 22.89,205.66 22.58,205.66 22.48,205.56 22.48,205.23 22.45,205.21 21.23,205.21 21.08,205.36 21.08,211.71 18.92,213.87 13.72,213.87 13.46,214.12 13.46,217.93 13.72,218.19 23.75,218.19
N28986231 on TOP (solid shape): 24.54,223.44 24.54,219.96 24.41,219.84 20.73,219.84 20.35,220.22 20.35,220.95 20.42,221.03 20.75,221.03 20.78,221.01 21.74,221.01 21.79,221.06 21.79,221.62 21.74,221.67 20.37,221.67 20.35,221.69 20.35,222.22 20.4,222.28 21.77,222.28 21.79,222.3 21.79,222.91 21.77,222.94 20.4,222.94 20.35,222.99 20.35,223.49 20.4,223.55 24.43,223.55
N29254775 on TOP: 53.85,101.22 53.98,101.09 53.98,98.68 53.85,98.55 52.07,98.55 51.94,98.68 51.94,101.09 52.07,101.22
N29254775 on ART16: 53.59,103.25 41.4,103.25 40.64,102.49 40.64,94.87 41.27,94.23 53.09,94.23 54.36,95.5 54.36,102.49
N29295701 on TOP (solid shape): 107.8,179.17 107.8,178.54 107.92,178.41 109.19,178.41 109.32,178.28 109.32,177.27 109.19,177.14 106.53,177.14 106.4,177.27 106.4,178.16 106.15,178.41 106.15,179.17 106.27,179.3 107.67,179.3
N29295729 on BOTTOM: 107.67,169.9 107.54,170.03 107.54,173.33 107.67,173.46 108.94,173.46 109.07,173.33 109.07,170.03 108.94,169.9
N29620196 on TOP: 57.91,154.05 58.04,153.92 61.49,153.92 61.67,154.1 61.67,154.94 61.57,155.04 58.06,155.04 57.91,154.89
N29662268 on TOP: 51.31,149.73 51.44,149.61 51.44,148.21 51.31,148.08 49.91,148.08 49.78,148.21 49.78,149.61 49.91,149.73
N29662268 on ART12: 61.47,148.59 61.47,138.94 61.09,138.56 49.78,138.56 49.15,139.19 49.15,153.42 49.78,154.05 58.29,154.05 59.05,153.29 59.05,148.97 59.31,148.72 61.34,148.72
N29665073 on TOP: 51.31,130.56 51.44,130.43 51.44,129.03 51.31,128.91 49.91,128.91 49.78,129.03 49.78,130.43 49.91,130.56
N29665073 on ART12: 49.78,130.3 59.05,130.3 60.07,129.29 60.07,119.63 59.94,119.51 49.53,119.51 49.02,120.02 49.02,129.54
N29704893 on TOP (solid shape): 19.72,163.2 19.72,162.31 19.77,162.26 19.89,162.26 19.94,162.31 19.94,163.21 19.97,163.23 20.22,163.23 20.22,162.33 20.27,162.28 20.4,162.28 20.45,162.33 20.45,163.23 20.7,163.23 20.73,163.2 20.73,162.29 20.78,162.24 20.89,162.24 20.94,162.29 20.94,163.23 21.2,163.23 21.23,163.2 21.23,162.26 21.28,162.21 21.4,162.21 21.45,162.26 21.45,163.2 21.47,163.23 21.71,163.23 21.72,163.21 21.72,162.26 21.78,162.21 21.9,162.21 21.95,162.26 21.95,163.23 25.11,163.23 25.91,162.43 25.91,151.26 25.27,150.62 19.68,150.62 19.44,150.87 19.44,163.23 19.69,163.23
N29778786 on BOTTOM (solid shape): 104.8,206.01 104.8,205.15 104.72,205.07 102.86,205.07 102.68,205.26 102.68,205.92 102.84,206.09 104.72,206.09
N29778828 on TOP (solid shape): 110.36,200.93 110.36,198.92 110.15,198.72 107.26,198.72 107.14,198.83 107.14,200.84 107.64,201.34 109.95,201.34
N29778828 on BOTTOM (solid shape): 110.26,200.96 110.26,199.32 109.97,199.03 107.47,199.03 107.21,199.3 107.21,200.97 107.46,201.22 110,201.22
N29778846 on TOP (solid shape): 123.95,200.93 123.95,198.92 123.74,198.72 120.85,198.72 120.73,198.83 120.73,200.84 121.23,201.34 123.54,201.34
N29778846 on BOTTOM (solid shape): 123.84,200.96 123.84,199.32 123.56,199.03 121.06,199.03 120.8,199.3 120.8,200.97 121.05,201.22 123.59,201.22
N29778860 on BOTTOM (solid shape): 118.39,206.01 118.39,205.15 118.31,205.07 116.45,205.07 116.27,205.26 116.27,205.92 116.43,206.09 118.31,206.09
N29778905 on TOP (solid shape): 137.53,200.93 137.53,198.92 137.33,198.72 134.44,198.72 134.32,198.83 134.32,200.84 134.82,201.34 137.13,201.34
N29778905 on BOTTOM (solid shape): 137.43,200.96 137.43,199.32 137.15,199.03 134.65,199.03 134.39,199.3 134.39,200.97 134.63,201.22 137.17,201.22
N29778919 on BOTTOM (solid shape): 131.98,206.01 131.98,205.15 131.9,205.07 130.04,205.07 129.85,205.26 129.85,205.92 130.02,206.09 131.9,206.09
